# Allegro board BeagleBone_AI-64_Rev_B1_PCB_220602.brd (continued)
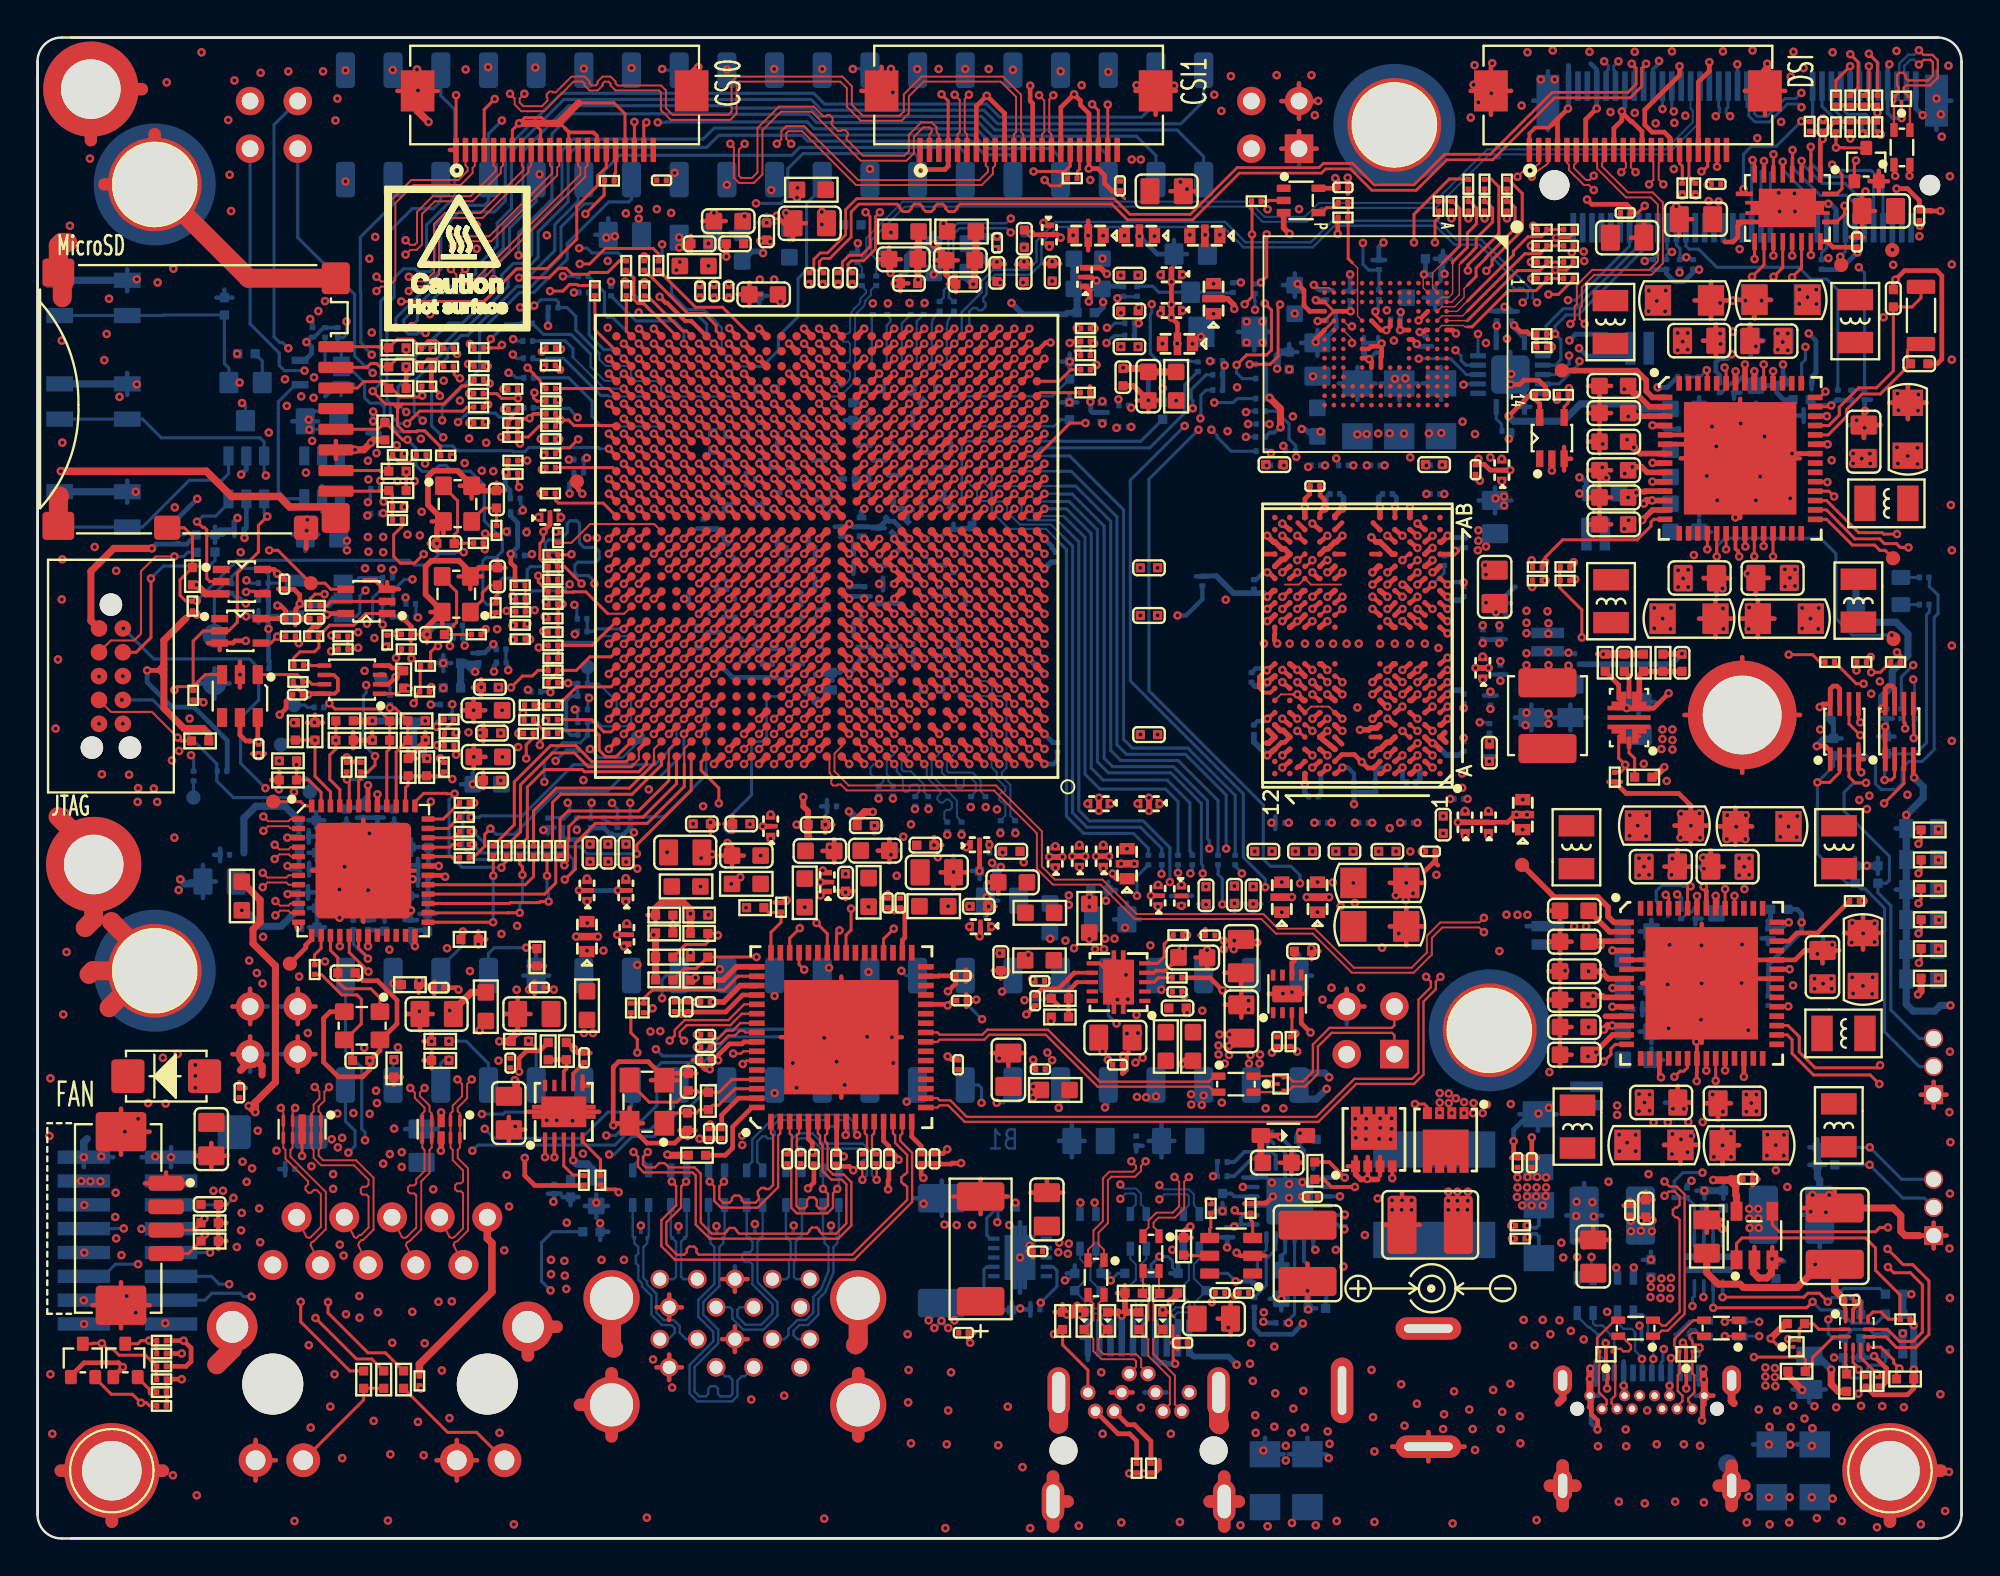
[diagram p0: board, top side]
## Routing (per net, layer and track width the routed paths; a pad name or vN(x,y) marks a point on that pad's centre or on a via; arc(x,y) is an arc through that point) (continued)
MMC2_DAT3: length 94.5
  TOP w0.165: 97.3,74.96 97.3,74.92 v1(97.23,74.85)
  TOP w0.229: U19.T28 31.63,53.68 v1(31.23,53.28)
  L10-SIGNAL w0.102: v1(97.23,74.85) 98.02,74.06 98.02,71.37 96.19,69.54 83.54,69.54 83.22,69.22 83.22,67.85 82.93,67.56 82.09,67.56 80.06,69.59 79.07,69.59 77.44,67.96 69.39,67.96 69.16,68.19 63.37,68.19 62.94,68.62 60.95,68.62 60.37,69.19 60.37,69.58 59.37,70.58 52.93,70.58 52.37,70.02 52.37,69.15 51.5,68.27 51.5,67.68 50.91,67.1 50.91,66.2 49.78,65.07 49.38,65.07 49.22,64.91 46.36,64.91 46.08,64.64 46.08,64.37 45.76,64.05 45.49,64.05 45.28,63.84 45.28,63.57 42.59,60.88 42.27,60.88 42.04,60.65 42.04,60.32 41.8,60.07 41.48,60.07 41.25,59.84 41.25,59.53 41.01,59.29 40.68,59.29 40.43,59.04 40.43,58.72 40.19,58.48 39.87,58.48 39.64,58.25 39.64,58.2 39.64,58.2 39.64,57.92 39.41,57.69 39.09,57.69 38.85,57.45 38.85,56.34 38.6,56.09 38.28,56.09 38.04,55.85 38.04,54.46 37.23,53.65 37.23,51.52 37,51.29 33.44,51.29 33.23,51.5 33.23,51.85 32.98,52.09 32.67,52.09 32.43,52.33 32.43,52.65 32.2,52.88 31.64,52.88 v1(31.23,53.28)
  BOTTOM w0.165: v1(97.23,74.85) 97.23,75.27 96.94,75.56 96.32,75.56 95.56,76.31 J4.19
N23_ADC1_AIN0/C29_WKUP_GPIO0_59: length 75.4
  TOP w0.165: 27.16,43.64 27.11,43.64 v1(27.05,43.58) ; v1(28.45,52.46) 28.45,52.49 28.38,52.43 R273.2
  L3-SIGNAL w0.102: v1(27.33,13.22) 27.1,13.45 24.39,13.45 21.75,10.81 14.08,10.81 11.56,13.33 10.82,13.33 10.62,13.12 9.68,13.12 9.27,13.53 4.19,13.53 3.05,12.39 3.05,12 v1(2.48,11.43)
  L8-PWR/GND w0.127: v1(27.05,43.58) 27.76,44.29 27.76,49.45 27.57,49.64 27.57,49.96 27.76,50.15 27.76,51.77 v1(28.45,52.46)
  L10-SIGNAL w0.102: v1(27.33,13.22) 26.41,14.14 26.41,26.2 26.57,26.36 26.57,34.71 26.46,34.81 26.46,37.38 26.34,37.51 26.34,39.51 26.49,39.67 26.49,40.71 27.13,41.35 27.13,42.44 27.05,42.52 v1(27.05,43.58)
  BOTTOM w0.165: D19.2 27.43,16.35 26.85,15.76 26.85,13.71 v1(27.33,13.22) ; J10.1 v1(2.48,11.43)
Net_115: length 0.6
  TOP w0.229: v1(44.04,45.28) 43.64,45.68 43.64,45.68
Net_372: length 0.6
  TOP w0.229: 49.24,51.28 v1(49.64,50.88)
Net_373: length 0.6
  TOP w0.229: v1(49.64,49.28) 49.24,49.68 49.24,49.68
Net_399: length 0.6
  TOP w0.165: v1(52.84,60.49) 52.44,60.09 52.44,60.08
Net_400: length 0.6
  TOP w0.165: 51.64,60.08 51.64,60.09 v1(52.04,60.49)
Net_401: length 0.6
  TOP w0.165: v1(52.04,59.69) 52.04,59.68 51.64,59.28
Net_402: length 0.6
  TOP w0.165: 53.24,59.28 53.64,59.68 v1(53.64,59.69)
Net_403: length 0.6
  TOP w0.165: v1(53.64,60.49) 53.64,60.48 53.24,60.08
Net_404: length 0.6
  TOP w0.229: v1(51.24,60.49) 50.84,60.09 50.84,60.08
Net_406: length 0.6
  TOP w0.229: v1(49.64,61.29) 49.24,60.89 49.24,60.88
Net_407: length 0.6
  TOP w0.229: 49.24,60.08 49.24,60.09 v1(49.64,60.49)
Net_408: length 0.6
  TOP w0.165: 51.64,63.28 51.67,63.32 51.67,63.32 v1(52.04,63.69)
Net_409: length 0.6
  TOP w0.165: v1(51.24,63.69) 50.84,63.29 50.84,63.28
Net_410: length 0.6
  TOP w0.165: v1(52.84,64.49) 52.84,64.48 52.44,64.08
Net_411: length 0.6
  TOP w0.165: v1(52.04,64.49) 51.65,64.1 51.65,64.09 51.64,64.08
Net_412: length 0.6
  TOP w0.165: v1(49.64,62.89) 49.26,62.51 49.24,62.48
Net_413: length 0.6
  TOP w0.165: v1(50.44,62.89) 50.44,62.88 50.04,62.48
Net_414: length 0.6
  TOP w0.165: 48.44,61.68 48.44,61.68 v1(48.84,62.08)
Net_415: length 0.6
  TOP w0.165: 49.24,61.68 49.24,61.68 49.64,62.08 v1(49.64,62.09)
Net_417: length 0.6
  TOP w0.165: 45.24,60.88 45.24,60.89 v1(45.64,61.29)
Net_427: length 0.6
  TOP w0.229: 49.24,45.68 v1(49.64,45.28)
Net_428: length 0.6
  TOP w0.229: 49.24,44.88 v1(49.64,44.48)
Net_429: length 0.6
  TOP w0.165: v1(47.24,61.29) 46.85,60.89 46.84,60.88 46.84,60.88
Net_430: length 0.6
  TOP w0.165: v1(46.44,60.49) 46.05,60.1 46.04,60.08
Net_439: length 0.6
  TOP w0.229: 50.04,44.08 v1(50.44,43.68)
OSC1_XI: length 8.3
  TOP w0.165: R219.1 23.77,53.05 23.77,52.79 v1(23.83,52.73)
  TOP w0.229: v1(30.43,51.68) 30.44,51.68 U19.P29
  L3-SIGNAL w0.102: v1(23.83,52.73) 24.88,51.68 26.9,51.68 27.23,51.35 28.8,51.35 29.13,51.68 v1(30.43,51.68)
OSC1_XO: length 10.7
  TOP w0.165: v1(23.85,53.56) 23.92,53.49 24.3,53.49 24.34,53.45 24.45,53.45 R227.1
  TOP w0.229: v1(32.03,51.68) 32.43,52.08 U19.P27
  L3-SIGNAL w0.102: v1(32.03,51.68) 31.63,52.09 29.19,52.09 28.78,51.68 27.25,51.68 26.97,51.96 25.17,51.96 24.33,52.8 24.33,53.08 v1(23.85,53.56)
OV1: length 12
  L3-SIGNAL w0.102: v1(95.4,11.68) 93.77,11.68 93.06,12.39 89.7,12.39 89.22,12.87 v1(88.75,12.87)
  BOTTOM w0.165: U1.5 88.77,12.89 v1(88.75,12.87) ; v1(95.4,11.68) 95.4,10.91 95.65,10.66 R17.1 96.7,11.15 97.58,11.15 97.81,10.91 R352.2
OV2: length 11.2
  TOP w0.165: v1(89.27,12.3) 94.24,12.3 v1(94.56,12.62)
  BOTTOM w0.165: U1.4 v1(89.27,12.3) ; R354.2 97.97,11.48 96.66,11.48 R14.1 95.95,12.18 94.99,12.18 v1(94.56,12.62)
OVERCUR1Z: length 36.7
  TOP w0.165: v1(40.61,32.53) 40.07,32 U20.46
  L10-SIGNAL w0.102: v1(51.13,16.86) 51.13,18.45 51.99,19.31 51.99,25.29 53.35,26.65 53.35,27.59 53.72,27.96 53.72,31.67 52.09,33.29 48.31,33.29 47.19,34.41 44.91,34.41 44.73,34.23 44.73,33.19 43.38,31.84 41.3,31.84 v1(40.61,32.53)
  BOTTOM w0.165: v1(51.13,16.86) 51.17,16.9 R85.2 50.57,17.08 50.57,16.17 50.76,15.98 U4.10
PCIE1_REFCLK_N: length 51.7
  BOTTOM w0.106: 43.68,67.99 44.16,68.47 44.16,69.32 46.09,71.25 64.56,71.25 65.37,70.45 67.51,70.45 68.25,71.19 74.37,71.19 77.22,74.04 77.65,74.04 77.77,74.16 ; 43.68,67.99 43.92,67.75 R95.2 ; 43.68,67.99 R96.1 ; R37.2 77.77,74.16 ; 77.77,74.16 77.8,74.18 77.94,74.04 86.72,74.04 88.18,75.49 88.18,76.11 88.06,76.22 J4.49
PCIE1_REFCLK_P: length 51.7
  BOTTOM w0.106: R37.1 77.77,73.65 ; 77.77,73.65 77.65,73.77 77.33,73.77 74.48,70.92 68.36,70.92 67.62,70.18 65.26,70.18 64.45,70.99 46.2,70.99 44.42,69.21 44.42,68.44 44.87,67.99 ; 77.77,73.65 77.8,73.63 77.94,73.77 86.83,73.77 88.45,75.38 88.45,76.11 88.56,76.22 J4.47 ; R91.1 44.87,67.99 ; 44.87,67.99 44.68,67.8 R93.2
PCIE1_RX0_N: length 65.5
  TOP w0.188: v1(41.63,63.68) 42.03,63.28 U19.AH15
  L12-SIGNAL w0.136: v1(41.63,63.68) 41.63,63.82 arc(41.66,63.94) 41.73,64.04 41.94,64.25 arc(41.99,64.34) 42.01,64.43 42.01,64.55 arc(41.98,64.71) 41.89,64.84 41.3,65.43 40.69,65.43 40.16,65.97 40.16,70.17 45.21,75.23 61.68,75.23 63.87,73.03 68.01,73.03 69.42,71.62 73.81,71.62 77.19,75 89.55,75 89.69,75.13 89.69,75.53 v1(89.41,75.81)
  BOTTOM w0.152: 89.56,76.98 89.56,76.98 J4.43 ; 89.56,76.98 89.56,76.29 89.62,76.24 89.62,76.02 v1(89.41,75.81) ; 89.56,76.98 89.56,77.14
PCIE1_RX0_P: length 65.2
  TOP w0.188: v1(42.43,64.48) 42.83,64.08 U19.AJ14
  L12-SIGNAL w0.136: v1(42.43,64.48) 42.43,64.6 arc(42.41,64.7) 42.36,64.79 42.1,65.05 41.42,65.73 40.82,65.73 40.45,66.09 40.45,67.35 40.58,67.49 40.65,67.49 40.79,67.62 40.79,67.89 40.65,68.03 40.58,68.03 40.45,68.17 40.45,68.44 40.58,68.57 40.65,68.57 40.79,68.71 40.79,68.98 40.65,69.12 40.58,69.12 40.45,69.25 40.45,70.05 45.33,74.93 61.55,74.93 63.75,72.74 67.89,72.74 69.29,71.33 73.93,71.33 77.31,74.71 89.67,74.71 89.98,75.01 89.98,75.62 v1(90.17,75.81)
  BOTTOM w0.152: J4.41 90.06,76.91 90.06,76.9 90.06,76.28 89.96,76.19 89.96,75.96 90.11,75.81 v1(90.17,75.81)
PCIE1_RX1_N: length 61.6
  TOP w0.152: v1(40.83,63.68) 41.24,63.28
  TOP w0.188: 41.24,63.28 U19.AH16
  L3-SIGNAL w0.136: v1(38.48,67.1) 38.71,67.33 38.71,67.84 39.36,68.48 39.93,68.48 40.93,69.48 40.93,72.17 43.49,74.73 62.04,74.73 63.85,72.91 68.25,72.91 68.55,73.22 70.1,73.22 71.07,72.25 73.89,72.25 78.94,77.31 82.77,77.31 83.69,78.23 83.69,78.5 v1(83.46,78.73)
  L12-SIGNAL w0.136: v1(40.83,63.68) 40.38,64.14 40.38,64.48 40.26,64.6 39.63,64.6 38.75,65.48 38.75,66.83 v1(38.48,67.1)
  BOTTOM w0.152: 83.56,77.17 J4.67 83.56,78.18 83.68,78.3 83.68,78.51 v1(83.46,78.73)
PCIE1_RX1_P: length 61.5
  TOP w0.152: v1(41.63,64.48) 42.04,64.08 U19.AJ15
  L3-SIGNAL w0.136: v1(39.24,67.1) 39.01,67.33 39.01,67.72 39.48,68.19 40.05,68.19 41.22,69.36 41.22,72.05 43.61,74.44 61.92,74.44 63.73,72.62 68.37,72.62 68.67,72.93 69.98,72.93 70.95,71.96 74.01,71.96 79.06,77.02 82.89,77.02 83.98,78.11 83.98,78.5 v1(84.22,78.73)
  L12-SIGNAL w0.136: v1(41.63,64.48) 41.37,64.48 40.97,64.89 39.75,64.89 39.04,65.6 39.04,66.89 v1(39.24,67.1)
  BOTTOM w0.152: v1(84.22,78.73) 83.97,78.49 83.97,78.27 84.06,78.18 J4.65 84.06,77.17
PCIE1_TX0_N: length 65.3
  TOP w0.152: v1(44.87,70.69) 44.64,70.46 44.64,68.73 44.01,68.1 43.35,68.1 43.17,67.92 43.17,67.72 43.4,67.49 C377.2
  L12-SIGNAL w0.136: v1(44.87,70.69) 44.64,70.93 44.64,71.71 46.89,73.97 60.71,73.97 63.12,71.56 67.65,71.56 69.2,70.01 74.37,70.01 75.16,70.8 76.12,70.8 78.96,73.64 89.96,73.64 92.84,76.52 93.73,76.52 v1(93.97,76.29)
  BOTTOM w0.152: J4.37 91.06,76.31 91.17,76.21 91.17,75.83 91.49,75.51 92.26,75.51 93.22,76.46 93.79,76.46 v1(93.97,76.29)
PCIE1_TX0_P: length 66.6
  TOP w0.152: v1(44.11,70.69) 44.35,70.46 44.35,68.85 43.89,68.39 43.23,68.39 42.88,68.04 42.88,67.69 42.65,67.46 C375.2
  L12-SIGNAL w0.136: v1(93.97,77.05) 93.73,76.81 92.72,76.81 92.44,76.54 92.25,76.54 92.11,76.68 91.92,76.68 91.73,76.48 91.73,76.29 91.87,76.15 91.87,75.96 89.84,73.93 78.84,73.93 76,71.09 75.04,71.09 74.25,70.3 69.32,70.3 67.77,71.85 63.24,71.85 60.83,74.26 46.77,74.26 45.9,73.39 45.71,73.39 45.55,73.55 45.36,73.55 45.17,73.36 45.17,73.17 45.33,73.01 45.33,72.82 44.35,71.84 44.35,70.93 v1(44.11,70.69)
  BOTTOM w0.152: v1(93.97,77.05) 93.67,76.75 93.1,76.75 92.14,75.8 91.61,75.8 91.46,75.95 91.46,76.21 91.56,76.32 J4.35
PCIE1_TX1_N: length 53.6
  TOP w0.152: v1(84.93,78.6) 85.16,78.37 85.16,77.52 84.73,77.08 80.69,77.08 77.39,73.78 74.95,73.78 73.33,72.15 71.2,72.15 70.06,73.3 68.5,73.3 68.27,73.07 63.9,73.07 61.42,70.58 58.19,70.58 57.35,71.42 43.64,71.42 43.05,70.83 43.05,69.49 42.09,68.52 41.7,68.52 41.36,68.18 41.36,67.71 41.13,67.49 C368.2
  BOTTOM w0.152: v1(84.93,78.6) 85.06,78.47 J4.61 85.06,77.17
PCIE1_TX1_P: length 54.9
  TOP w0.152: C373.2 41.87,67.49 41.65,67.71 41.65,68.06 41.82,68.23 42.21,68.23 43.34,69.36 43.34,70.71 43.76,71.12 45.79,71.12 45.94,70.97 45.94,70.88 46.1,70.73 46.4,70.73 46.55,70.88 46.55,70.97 46.71,71.12 47.01,71.12 47.16,70.97 47.16,70.88 47.32,70.73 47.62,70.73 47.77,70.88 47.77,70.97 47.93,71.12 48.23,71.12 48.38,70.97 48.38,70.88 48.53,70.73 48.84,70.73 48.99,70.88 48.99,70.97 49.14,71.12 57.23,71.12 58.07,70.29 61.54,70.29 64.03,72.78 68.39,72.78 68.62,73 69.94,73 71.08,71.86 73.45,71.86 75.07,73.49 77.51,73.49 80.81,76.79 84.85,76.79 85.46,77.4 85.46,78.37 v1(85.69,78.6)
  BOTTOM w0.152: 85.56,77.17 J4.59 85.56,78.47 v1(85.69,78.6)
PG_1V1: length 1.6
  TOP w0.165: R244.2 59.71,29.89 59.48,29.65 U18.3
PG_2V5: length 2.8
  TOP w0.165: R243.2 29.11,19.37 28.52,19.37 28.03,19.86 U9.3
PHY_CLK_OUT: length 3.3
  TOP w0.165: v1(17.6,30.9) 17.6,30.97 17.1,31.46 U15.18
  BOTTOM w0.165: v1(17.6,30.9) 16.83,31.68 R386.1
PHY_CLK_OUT_TP: length 0.9
  BOTTOM w0.165: TP1.1 16.83,33.84 R386.2
PHY_GPIO0: length 6.2
  TOP w0.165: U15.39 19.1,41.92 R197.1 R196.2 19.04,44.27 v1(18.77,44.27)
  BOTTOM w0.165: v1(18.77,44.27) 18.78,44.28 18.78,44.41
PHY_GPIO0_TP: length 1.1
  BOTTOM w0.165: R387.2 18.78,45.35 TP17.1
PHY_GPIO1: length 8.6
  TOP w0.165: v1(15.54,44.52) 15.85,44.21 18.13,44.21 R184.2 R185.1 18.76,42.09 18.6,41.93 U15.40
  BOTTOM w0.165: R388.1 15.33,44.3 v1(15.54,44.52)
PHY_GPIO1_TP: length 1.1
  BOTTOM w0.165: TP18.1 14.24,44.42 14.36,44.3 R388.2
PHY_LED0: length 49
  TOP w0.165: R167.2 13.8,41.23 ; 13.8,41.23 R168.1 14.45,40.43 15.1,39.77 U15.47 ; 13.8,41.23 v1(13.79,41.24) ; v1(14.02,12.62) 14.02,11.55 16.64,8.93 R183.2
  L3-SIGNAL w0.102: v1(7.16,41.47) 7.16,40.68 9.32,38.52 9.32,32.99 9.74,32.56 9.74,22.33 13.79,18.28 14.3,18.28 14.78,17.8 14.78,16.63 13.54,15.38 13.54,13.81 14.02,13.33 v1(14.02,12.62)
  L5-SIGNAL w0.102: v1(13.79,41.24) 13.5,40.95 11.08,40.95 10.67,41.37 7.67,41.37 7.57,41.47 v1(7.16,41.47)
  BOTTOM w0.165: v1(13.79,41.24) 13.85,41.18 13.85,41.09
PHY_LED0_TP: length 1.3
  BOTTOM w0.165: R389.2 13.85,40.54 14.34,40.54 14.5,40.38 TP19.1
PHY_LED1: length 52
  TOP w0.165: v1(14.81,11.75) 16.99,9.57 17.8,9.57 R186.2 ; U15.46 15.6,39.81 14.78,40.63 v1(14.78,42.56) R170.2
  L3-SIGNAL w0.102: v1(14.81,11.75) 14.81,12.87 13.76,13.91 13.76,15.29 15.01,16.53 15.01,17.89 14.39,18.51 13.89,18.51 9.98,22.42 9.98,32.66 9.55,33.09 9.55,38.78 7.54,40.78 v1(7.54,41.98)
  L5-SIGNAL w0.102: v1(14.78,42.56) 14.36,42.13 7.7,42.13 v1(7.54,41.98)
  BOTTOM w0.165: v1(14.78,42.56) 14.77,42.55 R390.1
PHY_LED1_TP: length 1.1
  BOTTOM w0.165: R390.2 13.21,42.55 TP20.1
PHY_LED2: length 53.8
  TOP w0.165: R191.2 18.53,9.9 17.6,9.9 15.48,12.02 v1(15.48,12.6) ; R179.2 v1(15.89,42.55) 15.89,42.09 15.57,41.76 15.57,40.45 16.1,39.92 U15.45
  L3-SIGNAL w0.102: v1(15.48,12.6) 14,14.08 14,15.2 15.24,16.44 15.24,17.99 14.44,18.79 13.94,18.79 10.21,22.52 10.21,32.76 9.78,33.19 9.78,38.93 7.89,40.82 7.89,41.46 v1(8.18,41.75)
  L5-SIGNAL w0.102: v1(8.18,41.75) 10.87,41.75 11.3,41.32 11.91,41.32 12.45,41.85 15.2,41.85 v1(15.89,42.55)
  BOTTOM w0.165: R391.1 8.32,41.61 v1(8.18,41.75)
PHY_LED2_TP: length 0.9
  BOTTOM w0.165: R391.2 8.32,40.36 8.3,40.35 TP21.1
PHY_RBIAS: length 0.2
  TOP w0.254: U15.12 v1(13.9,32.62)
PHY_TD_A_M: length 32.2
  TOP w0.106: J9.3 21.95,16.06 22.09,16.02 22.23,16.08 22.67,16.53 22.67,18.4 22.56,18.51 22.35,18.51 22.25,18.61 22.25,18.82 22.35,18.93 22.56,18.93 22.67,19.04 22.67,19.62 22.12,20.17 22.12,20.71 22,20.83 U17.9 U17.2 22,22.65 22.12,22.77 22.12,23.07 22.62,23.57 22.62,24.22 v1(22.37,24.47) ; v1(12.03,37.72) 12.28,37.96 13.36,37.96 13.48,37.85 U15.2
  L3-SIGNAL w0.103: v1(12.03,37.72) 12.26,37.94 13.25,37.94 18.01,33.19 18.01,32.84 17.85,32.69 17.85,32.42 18.01,32.27 18.01,31.13 22.6,26.53 22.6,24.7 v1(22.37,24.47)
PHY_TD_A_P: length 32.3
  TOP w0.106: v1(12.03,38.48) 12.28,38.23 13.37,38.23 13.49,38.35 U15.1 ; J9.2 22.16,15.64 22.21,15.78 22.38,15.87 22.93,16.42 22.93,19.73 22.38,20.28 22.38,20.71 22.5,20.83 U17.10 U17.1 22.5,22.65 22.38,22.77 22.38,22.96 22.88,23.46 22.88,24.22 v1(23.13,24.47)
  L3-SIGNAL w0.103: v1(12.03,38.48) 12.26,38.25 13.38,38.25 18.31,33.32 18.31,31.26 22.91,26.66 22.91,24.69 v1(23.13,24.47)
PHY_TD_B_M: length 28.5
  TOP w0.106: v1(19.85,24.01) 20.1,23.76 20.1,23.48 20.62,22.96 20.62,22.77 20.5,22.65 U17.5 U17.6 20.5,20.83 20.62,20.71 20.62,19.59 20.17,19.15 20.17,18.93 20.07,18.82 19.84,18.82 19.73,18.71 19.73,18.5 19.84,18.4 20.07,18.4 20.17,18.29 20.17,16.57 19.69,16.08 19.55,16.02 19.41,16.06 J9.5 ; v1(12.63,36.22) 12.88,36.46 13.39,36.46 13.5,36.35 U15.5
  L3-SIGNAL w0.103: v1(19.85,24.01) 20.08,24.24 20.08,26.19 16.58,29.68 16.58,32.08 16.43,32.23 16.43,32.5 16.58,32.65 16.58,33.11 13.23,36.47 12.88,36.47 v1(12.63,36.22)
PHY_TD_B_P: length 28.5
  TOP w0.106: v1(20.62,24.01) 20.37,23.76 20.37,23.59 20.88,23.07 20.88,22.77 21,22.65 U17.4 U17.7 21,20.83 20.88,20.71 20.88,19.48 20.44,19.04 20.44,16.46 19.84,15.87 19.67,15.78 19.62,15.64 J9.4 ; U15.4 13.49,36.85 13.37,36.73 12.88,36.73 v1(12.63,36.98)
  L3-SIGNAL w0.103: v1(20.62,24.01) 20.39,24.24 20.39,26.31 16.89,29.81 16.89,33.24 13.36,36.77 12.84,36.77 v1(12.63,36.98)
PHY_TD_C_M: length 28.2
  TOP w0.106: U15.8 13.37,34.85 13.26,34.96 12.24,34.96 v1(12,34.72) ; J9.7 16.87,16.06 16.99,16.02 17.14,16.17 17.23,16.17 17.63,16.57 17.63,18.22 17.53,18.32 17.33,18.32 17.22,18.43 17.22,18.64 17.33,18.75 17.53,18.75 17.63,18.86 17.63,19.11 16.85,19.89 15.1,19.89 14.71,20.29 14.71,20.71 14.59,20.83 U13.9 U13.2 14.59,22.64 14.71,22.75 14.71,23.13 15.01,23.44 15.01,23.81 v1(14.77,24.06)
  L3-SIGNAL w0.103: v1(14.77,24.06) 14.99,24.29 14.99,25.35 15.03,25.39 15.03,29.71 14.6,30.14 14.6,31.6 14.43,31.78 14.43,32.02 14.6,32.19 14.6,33.67 13.33,34.94 12.22,34.94 v1(12,34.72)
PHY_TD_C_P: length 28.2
  TOP w0.106: J9.6 17.08,15.64 17.13,15.78 17.25,15.9 17.34,15.9 17.9,16.46 17.9,19.22 16.97,20.16 15.21,20.16 14.98,20.4 14.98,20.71 15.09,20.83 U13.10 U13.1 15.09,22.64 14.98,22.76 14.98,23.02 15.28,23.33 15.28,23.81 v1(15.53,24.06) ; v1(12,35.48) 12.24,35.23 13.26,35.23 13.37,35.35 U15.7
  L3-SIGNAL w0.103: v1(15.53,24.06) 15.3,24.29 15.3,25.22 15.34,25.26 15.34,29.84 14.91,30.27 14.91,33.8 13.46,35.25 12.22,35.25 v1(12,35.48)
PHY_TD_D_M: length 23.4
  TOP w0.106: J9.9 14.33,16.06 14.47,16.02 14.54,16.05 15.09,16.6 15.09,18.35 14.87,18.58 14.72,18.58 14.57,18.43 14.42,18.43 14.27,18.58 14.27,18.73 14.42,18.88 14.42,19.03 13.21,20.24 13.21,20.71 13.09,20.83 U13.6 U13.5 13.09,22.82 v1(12.96,22.95) ; U15.11 13.48,33.35 13.36,33.46 12.92,33.46 v1(12.67,33.21)
  L3-SIGNAL w0.103: v1(12.96,22.95) 13.18,23.17 13.18,24.25 12.42,25.01 12.42,31.03 12.22,31.23 12.22,31.45 12.42,31.65 12.42,32.09 13.26,32.92 13.26,33.34 13.15,33.44 12.9,33.44 v1(12.67,33.21)
PHY_TD_D_P: length 23.5
  TOP w0.106: J9.8 14.54,15.64 14.59,15.78 14.7,15.83 15.36,16.49 15.36,18.46 13.48,20.35 13.48,20.71 13.59,20.83 U13.7 U13.4 13.59,22.82 v1(13.72,22.95) ; U15.10 13.48,33.85 13.37,33.73 12.92,33.73 v1(12.67,33.98)
  L3-SIGNAL w0.103: v1(12.67,33.98) 12.9,33.75 13.28,33.75 13.56,33.47 13.56,32.8 12.72,31.96 12.72,25.14 13.49,24.38 13.49,23.19 v1(13.72,22.95)
PHY_VDD_1V1: length 10.7
  TOP w0.165: 27.01,29.37 27.39,29.37 v1(27.51,29.25)
  TOP w0.254: U15.24 v1(20.1,31.57) ; U15.6 v1(13.32,35.85) ; U15.31 v1(21.38,35.85) ; U15.42 v1(17.6,40.14)
  BOTTOM w0.165: C306.1 13.93,35.68 ; C298.1 17.35,38.95 ; C292.1 19.89,32.43 ; 20.82,35.93 C288.1
  BOTTOM w0.254: C287.1 20.72,32.43 19.89,32.43 19.89,31.79 v1(20.1,31.57) ; C299.1 16.53,38.95 17.35,38.95 17.35,39.34 17.6,39.59 v1(17.6,40.14) ; C303.1 13.93,36.54 13.93,35.68 13.49,35.68 v1(13.32,35.85) ; v1(21.38,35.85) 21.34,35.88 20.8,35.88 20.82,35.9 C290.1
PHY_VDDA_1V8_1: length 2
  TOP w0.254: TP6.1 14.29,31.48 14.29,31.63 14.6,31.95 U15.13
PHY_VDDA_1V8_2: length 2.1
  TOP w0.165: TP5.1 14.02,39.27 14.24,39.05 U15.48
PHY_VDDA_2V5: length 13.2
  TOP w0.254: U15.9 v1(13.32,34.35) ; U15.3 13.32,37.35 v1(13.31,37.35)
  TOP w0.381: FL8.2 v1(10.88,33.48)
  BOTTOM w0.165: C308.1 13.88,34.44 ; C307.1 13.91,37.42
  BOTTOM w0.254: v1(13.32,34.35) 13.42,34.44 13.88,34.44 13.88,33.68 C304.1 ; C305.1 13.92,37.43 13.91,37.42 13.37,37.42 v1(13.31,37.35)
  BOTTOM w0.381: C304.1 12.97,32.63 11.91,32.63 11.07,33.47 ; C305.1 13.18,39.03 11.63,39.03 11,38.4 11,36.54
PHY_VDDIO_3V3: length 19.1
  TOP w0.165: R182.1 17.22,41.39 ; R181.1 16.47,41.39
  TOP w0.254: v1(16.47,41.63) 16.47,41.39 17.22,41.39 ; 21.67,29.36 22.32,29.36 v1(22.43,29.25) ; U15.30 21.54,35.35 21.64,35.25 21.71,35.25 v1(21.71,35.27) ; 20.65,43.58 v1(20.65,43.58) ; 17.83,43.58 v1(17.83,43.58) ; U15.41 v1(18.1,39.66) ; 13.73,43.48 R170.1 ; R167.1 v1(12.88,41.44) ; 20.76,41.58 v1(20.76,41.57)
  TOP w0.305: U15.19 v1(17.6,31.56)
  TOP w0.381: R179.1 v1(17.83,43.58) ; FL10.2 23.11,29.11 22.27,28.26 21.92,28.26 21.92,28.24 21.94,28.21 21.94,28.14 v1(21.95,28.14)
  BOTTOM w0.165: 17.6,31.99 17.6,31.99 17.6,32.04 ; C289.1 20.8,35.12 ; C297.1 17.6,32.43 ; C295.1 18.11,39.15 18.1,39.16
  BOTTOM w0.254: v1(21.71,35.27) 21.71,35.25 21.64,35.25 21.54,35.35 21.03,35.35 20.8,35.12 20.8,34.33 C291.1 ; C294.1 18.43,32.43 17.6,32.43 17.6,32.04 17.6,32.03 v1(17.6,31.56) ; v1(18.1,39.66) 18.1,38.96 18.11,38.95 18.93,38.95 C293.1 ; 20.04,43.17 19.63,43.58
  BOTTOM w0.381: v1(20.65,43.58) 20.42,43.58 ; 20.42,43.58 20.04,43.2 20.04,42.29 v1(20.76,41.57) ; 20.42,43.58 v1(17.83,43.58)
  vias: v1(13.64,43.48)
PHY_XI: length 6
  TOP w0.165: X1.1 18.24,28.81 17.75,29.3 16.38,29.3 15.99,29.69 C321.1 15.99,30.96 15.6,31.35 U15.15
PHY_XO: length 6.9
  TOP w0.165: R174.2 14.77,30.05 15.14,30.05 16.21,28.97 17.02,28.97 17.24,28.74 17.24,27.43 16.39,26.58 X1.3 16.78,26.14 C322.1
PHY_XO_R: length 1.7
  TOP w0.165: R174.1 14.77,30.61 14.76,30.62 14.76,31.11 15.1,31.46 U15.14
PMIC_ENABLE: length 19.8
  TOP w0.165: R339.1 81.85,51.06 v1(81.91,51.12) ; U30.20 v1(89.95,52.72) ; R1.2 94.96,46.71 94.56,47.11 v1(93.29,47.11)
  L5-SIGNAL w0.102: v1(93.29,47.11) 91.62,48.78 91.62,51.55 91.21,51.96 90.5,51.96 90.24,52.22 90.24,52.43 v1(89.95,52.72)
  L10-SIGNAL w0.102: v1(81.91,51.12) 85.07,51.12 87.21,53.27 89.41,53.27 v1(89.95,52.72)
PMIC_I2C1_SCL: length 42.4
  TOP w0.165: U30.31 95.31,55.32 97.02,53.61 98.27,53.61 98.35,53.53 v1(99.06,53.53) ; U29.31 93.25,27.34 93.85,26.74 93.85,25.93 94.7,25.09 98.02,25.09 v1(98.16,25.23) ; R378.2 97.43,46.75 v1(97.66,46.98)
  L3-SIGNAL w0.102: v1(99.06,53.53) 97.29,51.76 97.29,47.79 97.66,47.41 v1(97.66,46.98) 98.85,45.79 98.85,25.92 v1(98.16,25.23)
PMIC_I2C1_SDA: length 43.8
  TOP w0.165: v1(98.12,24.22) 97.64,24.71 94.61,24.71 93.47,25.85 93.47,26.59 93.22,26.84 U29.30 ; v1(99.67,52.82) 99.24,52.82 99.03,53.03 98.39,53.03 98.13,53.28 96.82,53.28 95.31,54.82 U30.30 ; v1(99.06,47.24) 99.08,47.24 99.26,47.06 99.26,46.71 R379.2
  L3-SIGNAL w0.102: v1(99.67,52.82) 97.71,50.87 97.71,48.61 98.37,47.95 98.37,47.92 v1(99.06,47.24) 99.06,46.57 99.11,46.52 99.11,25.21 v1(98.12,24.22)
PMIC_MCU_INT#: length 5.5
  TOP w0.229: U19.G28 31.63,46.48 v1(31.23,46.08)
  L5-SIGNAL w0.102: v1(31.23,46.08) 30.79,45.64 29.27,45.64 28.65,45.03 27.86,45.03 27.78,45.11 v1(27.32,45.11)
  BOTTOM w0.165: v1(27.32,45.11) 27.23,45.11 27.23,45.13 R127.1
PMIC_POWER_EN1: length 97.7
  TOP w0.165: U30.42 94.94,60.82 v1(95.25,61.13)
  TOP w0.229: U19.G23 35.24,46.08 v1(35.23,46.08)
  L5-SIGNAL w0.102: v1(77.39,57.62) 77.39,57.14 77.29,57.04 77.29,54.63 78.38,53.53 78.38,45.51 77.87,45 77.87,37.23 77.67,37.02 72.11,37.02 71.82,36.73 71.82,36.47 71.6,36.26 71.59,36.26 71.44,36.1 64.74,36.1 64.5,36.34 59.36,36.34 57.99,34.97 56.56,34.97 56.38,35.15 47.54,35.15 46.71,35.98 36.98,35.98 35.46,37.51 v1(35.46,39.03)
  L10-SIGNAL w0.102: v1(77.39,57.62) 77.7,57.93 78.56,57.93 79.09,57.4 79.09,56.89 79.79,56.19 82.29,56.19 82.33,56.15 85.24,56.15 86.05,56.96 86.19,56.96 86.41,57.18 86.41,57.2 86.99,57.79 91.91,57.79 v1(95.25,61.13) ; v1(35.46,39.03) 35.46,39.23 35.67,39.45 35.67,42.22 36.47,43.02 36.47,44.84 v1(35.23,46.08)
PMIC_WAKE2: length 3
  TOP w0.254: U29.42 v1(93.29,32.84)
  BOTTOM w0.165: R11.1 92.18,32.52
  BOTTOM w0.254: v1(93.29,32.84) 93.24,32.84 92.92,32.52 92.18,32.52 92.18,32.91 92.32,33.05 R8.2